# Altium PCB CPU-board-multi-Ethernnet.PcbDoc (part 1 of 3) (continued)
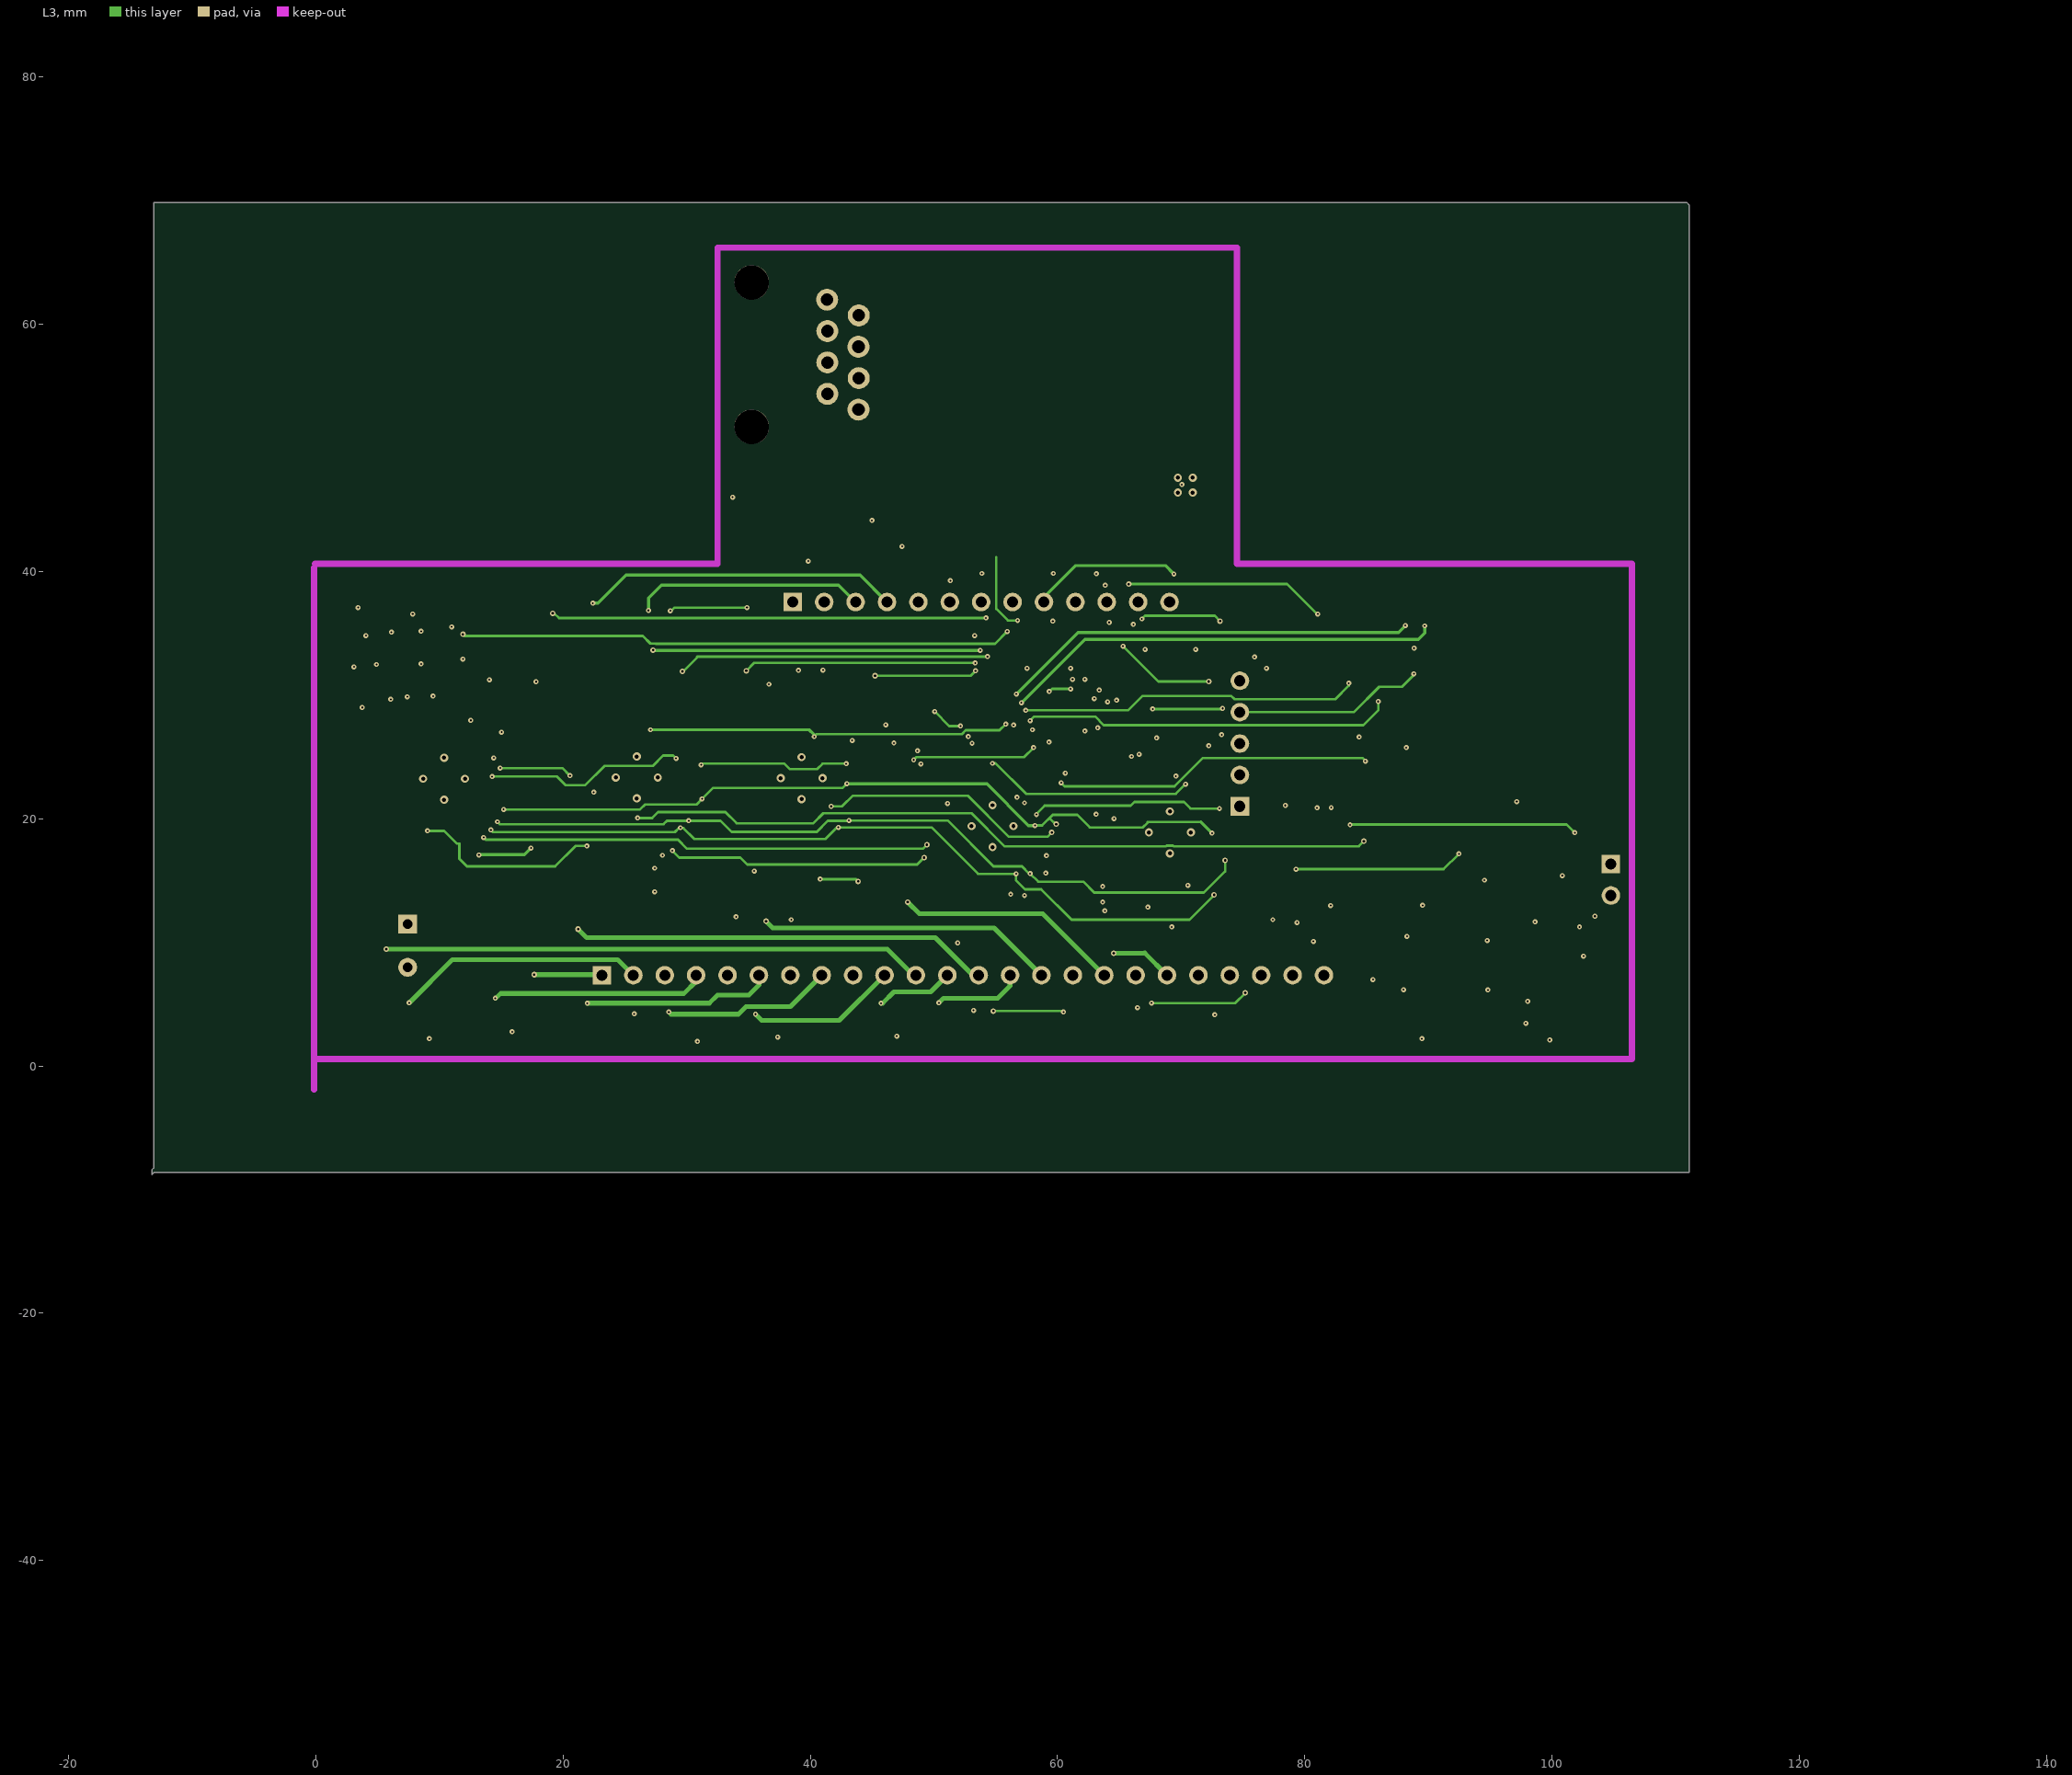
[diagram p4: L3]

## Layer stack, top to bottom
L1: signal copper 0.0356
Dielectric: core 0.32, FR-4, Dk 4.8
L1-2: signal copper 0.0356
Dielectric: prepreg 0.32, FR-4, Dk 4.8
L2: signal copper 0.0356
Dielectric: core 0.32, FR-4, Dk 4.8
L3: signal copper 0.0356
Dielectric: prepreg 0.32, FR-4, Dk 4.8
L4: signal copper 0.0356

## Board outline
-13.284,-8.788 -13.106,-8.611 111.1,-8.611 111.1,69.672 110.896,69.875 -13.106,69.875 -13.106,-8.23 -13.284,-8.407

## Design rules (kind name [scope] priority, off if disabled: settings)
Clearance [All] p1: gap=0.198
PolygonConnect [All] p1: connectstyle=Relief reliefconductorwidth=0.254 reliefentries=4 polygonreliefangle="90 Angle" airgapwidth=0.254
RoomDefinition CPU-board-Sheet1-multi [InComponentClass('CPU-board-Sheet1-multi')] p1: confinementstyle=ConfineIn formatcopy=TRUE lockcomponents=FALSE outline -139.954,-170.891 -89.154,-170.891 -89.154,-145.491 -139.954,-145.491
RoutingTopology [All] p1: topology=Daisy_MidDriven
RoutingVias MicroVia [((StartLayer='L1')and (StopLayer='L2'))or  ((StartLayer='L3')and (StopLayer='L4')) or ((StartLayer='L1')and (StopLayer='L3')) or ((StartLayer='L1')and (StopLayer='L1-2')) or ((StartLayer='L4')and (StopLayer='L3')) or ((StartLayer='L1-2')and (StopLayer='L4')) or ((StartLayer='L2')and (StopLayer='L4')) or ((StartLayer='L1-2')and (StopLayer='L2'))] p1: holewidth=0.152 width=0.406 viastyle="Through Hole" minholewidth=0.152 minwidth=0.406 maxholewidth=0.152 maxwidth=0.406
RoutingVias ThruVia [((StartLayer='L1')and (StopLayer='L4'))] p2: holewidth=0.152 width=0.406 viastyle="Through Hole" minholewidth=0.152 minwidth=0.406 maxholewidth=0.152 maxwidth=0.406
RoutingVias BuriedVia [((StartLayer='L2')and (StopLayer='L3'))  or ((StartLayer='L1-2')and (StopLayer='L3'))] p3: holewidth=0.2 width=0.45 viastyle="Through Hole" minholewidth=0.2 minwidth=0.45 maxholewidth=0.2 maxwidth=0.45
SMDNeckDown [All] p1: percent=40.000
SolderMaskExpansion [All] p1: expansion=0.102
Width [All] p1: maxlimit=1.27 minlimit=0.1 preferedwidth=0.254
27 further rules are at their usual default settings.

## Classes and differential pairs
component class Sheet1-multi: BT1 C1 C2 C3 C4 C6 C8 C10 C11 C12 C14 C15 C17 C18 C28 C33 C47 C51 C90 C102 C103 C104 C106 C119 C121 D1 D3 D5 D6 D7 D11 D15 D16 J1 L2 L4 L21 Q1 R2 R4 R5 R6 R7 R8 R9 R11 R12 R13 R15 R17 R18 R19 R20 R21 R25 R26 R27 R28 R29 R31 R34 R46 R47 R51 R59 R63 R64 R66 R73 R77 R82 R84 R92 R96 R98 R106 TP2 U1 U2 U4 Y1
component class Sheet2-multi: C7 C9 C10 C11 C17 C21 C24 C27 C28 C29 C32 C35 C40 C43 C48 C49 C50 C51 C52 C53 C54 C55 C56 C57 C59 C60 C61 C62 C63 C64 C69 C70 C71 C72 C73 C74 C75 C77 C78 C79 C80 C81 C82 C83 C84 C86 C87 C88 C89 C90 C91 C95 C98 C108 C114 C116 C117 C118 C121 D6 D11 D12 D13 D15 D16 D18 D20 L2 L6 L8 L12 L13 L14 L15 L17 L18 L19 L20 L21 L23 L25 L28 L30 L31 L32 M2 P1 P2 P3 Q1 Q5 Q6 Q7 Q8 R19 R20 R25 R27 R32 R33 R34 R37 R40 R41 R42 R43 R44 R45 R47 R51 R52 R53 R54 R55 R56 R57 R58 R59 R61 R63 R64 R67 R69 R73 R74 R75 R77 R78 R79 R80 R82 R84 R85 R88 R89 R97 R100 R104 R113 U4 U7 U8 Y2 Y3
component class Sheet3-multi: C7 C10 C11 C12 C17 C18 C21 C22 C23 C24 C25 C26 C40 C44 C47 C51 C54 C59 C66 C67 C71 C83 C95 C98 C103 C104 C108 C114 C117 C119 C121 D5 D6 D15 D19 L3 L4 L8 L9 L17 L23 L25 L27 L28 L29 L31 M1 Q2 Q6 Q12 R4 R6 R7 R12 R20 R25 R46 R50 R54 R59 R60 R67 R68 R71 R73 R79 R88 R91 R92 R93 R97 R102 R103 R104 R105 R107 R108 R111 U7 U8

## Components (designator, comment, footprint, x,y, rotation, side; value= is the part's Value field where it differs from the comment)
BT1 "9.0V" BAT-2 104.775,15.062 r270 top
C1 "10nF/6.3V" 0402C-GENERIC 86.919,2.083 r0 top
C2 "47uF/6.3V" 1210C-GENERIC 76.86,2.819 r0 top
C3 ".1uF" 0402C-GENERIC 77.699,5.359 r0 top
C4 "10uF/50V" 1206C-GENERIC 96.368,3.353 r0 top
C5 ".1uF/50V" 0402C-GENERIC 83.947,8.763 r270 top
C6 "2.2nF/6.3V" 0402C-GENERIC 93.218,7.722 r0 top
C7 "1uF/6.3V" 0402C-GENERIC 75.59,14.707 r180 top
C8 "22uF" 1206C-GENERIC 96.342,6.045 r90 top
C9 "100nF/35V" 0402C-GENERIC 77.622,12.497 r180 top
C10 "22uF/6.3V" 1206C-GENERIC 82.398,10.084 r0 bottom
C11 "100nF/35V" 0402C-GENERIC 72.746,65.38 r180 top
C12 "10uF/6.3V" 0402C-GENERIC 68.834,55.931 r90 top
C13 "100nF/35V" 0402C-GENERIC 65.481,51.638 r90 top
C14 "100nF/35V" 0402C-GENERIC 70.282,55.931 r90 top
C15 "10uF/6.3V" 0402C-GENERIC 67.335,63.983 r90 top
C16 "1uF/16V" 0402C-GENERIC 66.573,51.638 r90 top
C17 "470pF" 0402C-GENERIC 67.843,51.664 r90 top
C18 "10pF/50V" 0402C-GENERIC 68.885,61.138 r90 top
C19 "10pF/50V" 0402C-GENERIC 70.307,62.179 r270 top
C20 "10pF/50V" 0402C-GENERIC 70.282,59.665 r270 top
C21 "10pF/50V" 0402C-GENERIC 67.437,56.972 r270 top
C22 "1000pF/3kV" 1808 46.482,42.088 r180 top
C23 "22nF/16V" 0402C-GENERIC 68.859,63.983 r90 top
C24 "100nF/35V" 0402C-GENERIC 70.79,43.282 r270 top
C25 "18pF/6.3V" 0402C-GENERIC 70.714,48.717 r180 bottom
C26 "18pF/6.3V" 0402C-GENERIC 70.815,52.73 r180 bottom
C27 "100nF/10V" 0402C-GENERIC 10.135,16.993 r90 top
C28 "1uF/6.3V" 0402C-GENERIC 3.683,20.701 r180 top
C29 "150pF/10V" 0402C-GENERIC 7.925,17.043 r90 top
C30 "100nF" 0402C-GENERIC 9.017,18.059 r270 top
C31 "470uF/6.3V" 470uF/6.3v 7.417,11.481 r270 top
C32 "150pF/10V" 0402C-GENERIC 3.683,19.533 r180 top
C33 "150pF/10V" 0402C-GENERIC 11.201,18.009 r270 top
C34 "100nF/6.3V" 0402 105.054,6.299 r270 top
C35 "10n/16V" 0402C-GENERIC 9.5,31.648 r270 top
C36 "100nF/10V" 0402C-GENERIC 2.667,21.742 r0 top
C37 "100nF/6.3V" 0402R-TBD 45.364,27.305 r270 bottom
C38 "Comment" 0402C-GENERIC 65.735,59.512 r270 top
C39 "4.7uF/16V" 0402C-GENERIC 12.294,17.983 r270 top
C40 "100nF/6.3V" 0402C-GENERIC 44.425,27.305 r270 bottom
C41 "100nF/6.3V" 0402C-TBD 32.283,12.09 r0 bottom
C42 "27pF/6.3V" 0402C-GENERIC 51.181,27.178 r180 bottom
C43 "10n/16V" 0402C-GENERIC 12.014,31.623 r270 top
C44 "100nF/6.3V" 0402C-TBD 65.71,61.189 r90 top
C45 "100nF/6.3V" 0402C-TBD 36.652,31.699 r180 bottom
C46 "100nF/6.3V" 0402 53.721,34.265 r180 bottom
C47 "27pF/6.3V" 0402C-GENERIC 49.225,21.311 r0 bottom
C48 "10n/16V" 0402C-GENERIC 5.029,33.249 r90 top
C49 "10pF" 0402C-TBD 14.351,26.01 r90 bottom
C50 "150pF" 0402C-GENERIC 3.683,23.978 r180 top
C51 "150pF" 0402C-GENERIC 3.683,25.044 r180 top
C52 "100nF" 0402C-GENERIC 3.683,23.012 r180 top
C53 "100nF" 0402C-GENERIC 3.658,26.137 r180 top
C54 "10n/16V" 0402C-GENERIC 2.667,28.245 r0 top
C55 "10pF" 0402C-TBD 20.041,23.52 r270 bottom
C56 "150pF/10V" 0402C-GENERIC 24.003,18.11 r270 top
C57 "100nF" 0402C-GENERIC 22.784,17.069 r90 top
C59 "1uF/6.3V" 0402C-GENERIC 18.364,21.336 r180 top
C60 "100nF" 0402C-GENERIC 26.34,18.11 r270 top
C61 "150pF/10V" 0402C-GENERIC 27.534,18.085 r270 top
C62 "150pF/10V" 0402C-GENERIC 18.364,20.168 r180 top
C63 "100nF" 0402C-GENERIC 18.39,18.948 r180 top
C64 "1uF/6.3V" 0402C-GENERIC 25.146,18.136 r270 top
C65 "10n/16V" 0402C-GENERIC 23.546,30.632 r90 top
C66 "10n/16V" 0402C-GENERIC 25.832,30.582 r90 top
C67 ".1uF" 0402C-TBD 35.56,29.032 r0 bottom
C68 "10n/16V" 0402C-GENERIC 19.914,30.785 r90 top
C69 "150pF" 0402C-GENERIC 18.364,22.504 r180 top
C70 "150pF" 0402C-GENERIC 18.339,26.06 r180 top
C71 "100nF" 0402C-GENERIC 18.364,23.698 r180 top
C72 "100nF" 0402C-GENERIC 17.374,24.867 r0 top
C73 "10n/16V" 0402C-GENERIC 18.313,27.813 r180 top
C74 "150pF/10V" 0402C-GENERIC 33.299,16.459 r180 top
C75 "100nF" 0402C-GENERIC 33.325,17.678 r180 top
C77 "100nF" 0402C-GENERIC 33.325,12.903 r180 top
C78 "1uF/6.3V" 0402C-GENERIC 33.274,19.939 r180 top
C79 "150pF/10V" 0402C-GENERIC 33.274,14.097 r180 top
C80 "150pF/10V" 0402C-GENERIC 33.299,18.771 r180 top
C81 "1uF/6.3V" 0402C-GENERIC 33.274,15.265 r180 top
C82 "100nF" 0402C-GENERIC 33.299,21.107 r180 top
C83 "10n/16V" 0402C-GENERIC 38.837,29.083 r90 top
C84 "10n/16V" 0402C-GENERIC 41.173,29.108 r90 top
C85 "10n/16V" 0402C-GENERIC 36.17,29.083 r90 top
C86 "150pF" 0402C-GENERIC 33.274,22.25 r180 top
C87 "150pF" 0402C-GENERIC 33.299,24.511 r180 top
C88 "100nF" 0402C-GENERIC 33.274,23.368 r180 top
C89 "100nF" 0402C-GENERIC 33.274,25.629 r180 top
C90 "10n/16V" 0402C-GENERIC 33.198,28.372 r180 top
C91 "100nF" 0402C-GENERIC 49.352,12.37 r270 top
C93 "1uF/6.3V" 0402C-GENERIC 46.939,14.326 r180 top
C94 "10n/16V" 0402C-GENERIC 49.403,24.359 r90 top
C95 "100nF" 0402C-GENERIC 46.965,10.693 r180 top
C96 "150pF/10V" 0402C-GENERIC 51.613,12.37 r270 top
C97 "150pF/10V" 0402C-GENERIC 46.965,9.474 r180 top
C98 "150pF/10V" 0402C-GENERIC 45.949,11.938 r0 top
C99 "1uF/6.3V" 0402C-GENERIC 50.47,12.319 r270 top
C100 "100nF" 0402C-GENERIC 46.965,13.03 r180 top
C101 "10n/16V" 0402C-GENERIC 52.654,24.384 r90 top
C102 "10n/16V" 0402C-GENERIC 47.727,25.451 r270 top
C103 "10n/16V" 0402C-GENERIC 45.974,20.549 r0 top
C104 "150pF" 0402C-GENERIC 46.888,16.535 r180 top
C105 "100nF" 0402C-GENERIC 46.888,15.57 r180 top
C106 "150pF" 0402C-GENERIC 46.863,18.618 r180 top
C107 "100nF" 0402C-GENERIC 46.888,17.526 r180 top
C108 "150pF/10V" 0402C-GENERIC 64.389,11.557 r270 top
C110 "100nF" 0402C-GENERIC 63.271,11.532 r270 top
C111 "1uF/6.3V" 0402C-GENERIC 62.103,11.532 r270 top
C112 "100nF" 0402C-GENERIC 67.793,11.532 r270 top
C113 "150pF/10V" 0402C-GENERIC 65.507,11.532 r270 top
C114 "10n/16V" 0402C-GENERIC 67.005,23.216 r135 top
C116 "100nF" 0402C-GENERIC 60.909,11.532 r270 top
C117 "1uF/6.3V" 0402C-GENERIC 66.65,11.532 r270 top
C118 "10n/16V" 0402C-GENERIC 68.014,25.712 r315 top
C119 "10n/16V" 0402C-GENERIC 64.745,21.234 r135 top
C120 "10n/16V" 0402C-GENERIC 61.874,18.847 r180 top
C121 "150pF" 0402C-GENERIC 61.951,14.173 r180 top
C122 "150pF" 0402C-GENERIC 62.027,16.383 r180 top
C123 "100nF" 0402C-GENERIC 62.027,15.316 r180 top
C124 "100nF" 0402C-GENERIC 61.925,17.704 r180 top
D1 "PDS 560" SMB 90.526,15.011 r180 bottom
D2 "2V/20mA" LED-SM 79.248,31.826 r90 bottom
D3 "2V/20mA" LED-SM 100.837,14.376 r0 top
D4 "Comment" DO214AA 103.124,6.819 r90 bottom
D5 "1N4148" SOD-123 76.2,10.185 r0 top
D6 "9.1V" SOT23-DIODE 81.28,27.61 r90 bottom
D7 "2V/20mA" LED-SM 100.786,12.065 r0 top
D8 "2V/20mA" LED-SM 34.952,45.237 r180 top
D9 "2V/20mA" LED-SM 35.052,43.104 r180 top
D10 "LED2" LED-SM 13.843,15.621 r0 top
D11 "LED2" LED-SM 13.741,13.868 r0 top
D12 "LED2" 0603C-TBD#1 29.058,15.443 r0 top (schematic designator D13)
D13 "LED2" LED-SM 29.007,13.487 r0 top
D14 "LED2" LED-SM 69.315,27.915 r0 bottom
D15 "LED2" LED-SM 69.418,25.883 r0 bottom
D16 "LED2" LED-SM 38.175,13.081 r0 top
D17 "LED2" LED-SM 38.227,14.986 r0 top
D18 "LED2" LED-SM 55.956,10.566 r0 top
D19 "LED2" LED-SM 56.007,12.37 r0 top
D20 "LED2" LED-SM 72.034,10.312 r0 top
D21 "LED2" LED-SM 71.907,12.116 r0 top
J1 "RJ45-GENERIC" RJ45-8/8 43.891,53.111 r0 top
L1 "15uH/3.3A" "Murata 15uH inductor" 82.753,15.113 r0 top
L2 "4.7uH/2.6A" "Murata 15uH inductor" 91.777,15.138 r0 top
L3 "FB1/120 Ohms" 0603C-2U2 70.307,63.678 r90 top
L4 "FeILB" 0603C-TBD#2 9.525,34.29 r270 top
L5 "FeILB" 0603C-TBD#2 4.216,36.195 r0 top
L6 "FeILB" 0603C-TBD#2 10.846,34.265 r270 top
L7 "FeILB" 0603C-TBD#2 7.264,34.29 r270 top
L8 "FeILB" 0603C-TBD#2 1.473,36.17 r0 top
L9 "FeILB" 0603C-TBD#2 1.397,34.29 r270 top
L10 "FeILB" 0603C-TBD#2 26.187,34.29 r270 top
L11 "FeILB" 0603C-TBD#2 18.694,35.636 r0 top
L12 "FeILB" 0603C-TBD#2 34.595,35.662 r0 top
L13 "FeILB" 0603C-TBD#2 22.403,34.265 r270 top
L14 "FeILB" 0603C-TBD#2 15.85,35.636 r0 top
L15 "FeILB" 0603C-TBD#2 15.85,34.188 r270 top
L16 "FeILB" 0603C-TBD#2 43.536,35.687 r180 top
L17 "FeILB" 0603C-TBD#2 41.021,32.842 r90 top
L18 "FeILB" 0603C-TBD#2 42.189,34.29 r0 top
L19 "FeILB" 0603C-TBD#2 37.135,34.265 r270 top
L20 "FeILB" 0603C-TBD#2 30.734,35.611 r0 top
L21 "FeILB" 0603C-TBD#2 23.774,35.763 r0 top
L22 "FeILB" 0603C-TBD#2 51.232,28.118 r270 top
L23 "FeILB" 0603C-TBD#2 54.712,35.611 r180 top
L24 "FeILB" 0603C-TBD#2 51.333,30.785 r0 top
L25 "FeILB" 0603C-TBD#2 51.765,35.636 r180 top
L26 "FeILB" 0603C-TBD#2 48.666,35.636 r270 top
L27 "FeILB" 0603C-TBD#2 47.346,35.712 r180 top
L28 "FeILB" 0603C-TBD#2 72.466,34.696 r180 top